# Altium PCB roach2.PcbDoc (part 37 of 39) (continued)
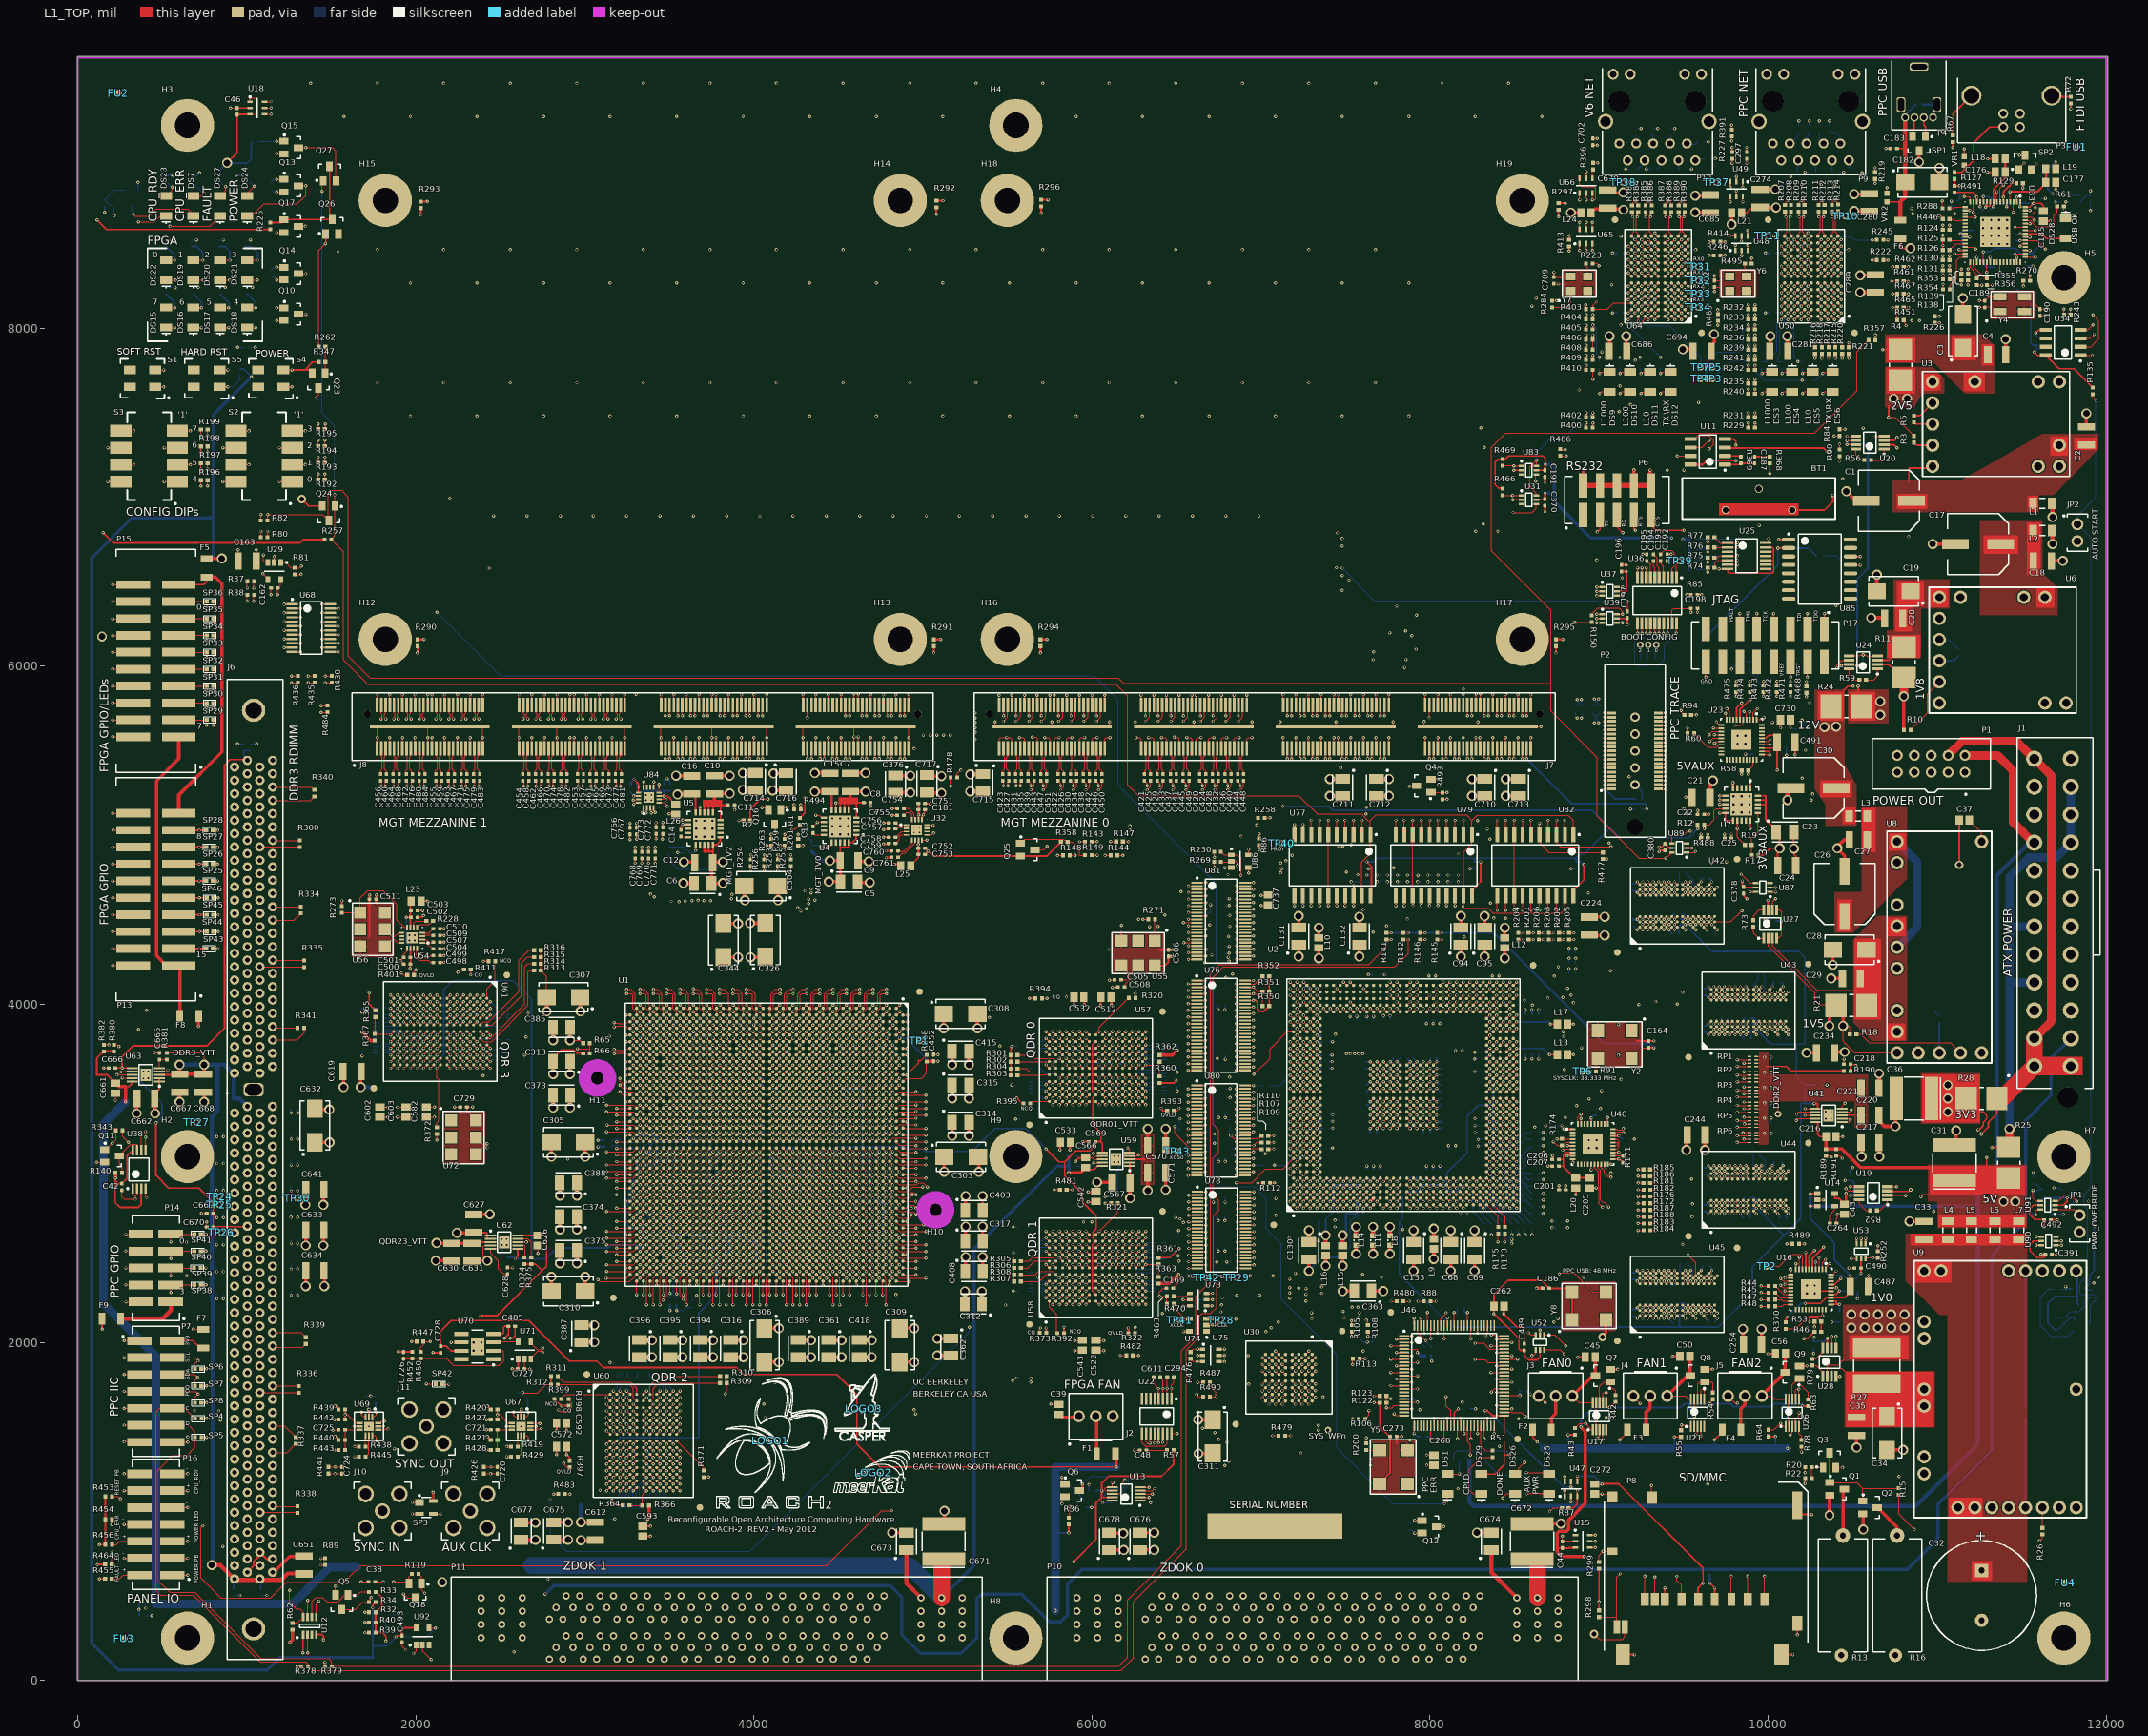
[diagram p0: L1_TOP view]
## Nets (pads, with @x,y where several pads share a name; then routed paths per layer and width w, separated by ;. In a path a pad name is that pad's centre, name@x,y a point inside that pad or via, vN(x,y) a via of type N, cw(c..) or ccw(c..) an arc to the next point about the centre after c; other vN are vias at no path point) (continued)
ZDOK1.DP_N11: P11.D4 U1.AA39 | length 3396
  L1_TOP w5: U1.AA39@4093.59,2478.78 v1(4113.28,2459.09)
  L14_S w3.8: P11.D4@3070.12,362.2 3013.11,305.19 2945.76,305.19 2923.19,327.76 2923.19,369.19 2961.48,407.48 2961.48,449.48 2917.55,493.4 2917.55,511.41 2917.19,511.77 2917.19,586.22 3161.96,830.99 3476.99,830.99 3607.19,961.19 3607.19,1253.19 3671.99,1317.99 3834.56,1480.56 cw(c3843.19,1471.94) 3851.82,1480.56 3870.69,1461.69 ccw(c3873.8,1464.8) 3876.91,1461.69 ccw(c3873.8,1464.8) 3878.2,1464.8 ccw(c3873.8,1464.8) 3876.91,1467.91 3852.18,1492.65 ; 3838.91,1505.91 cw(c3847.54,1514.54) 3838.91,1523.16 cw(c3847.54,1514.54) 3856.17,1523.16 3869.42,1509.91 3894.16,1485.17 ccw(c3897.28,1488.28) 3900.39,1485.17 ccw(c3897.28,1488.28) 3901.68,1488.28 ccw(c3897.28,1488.28) 3900.39,1491.39 3875.65,1516.13 3862.39,1529.38 cw(c3871.02,1538.01) 3862.39,1546.64 cw(c3871.02,1538.01) 3879.64,1546.64 3892.89,1533.39 3917.64,1508.64 ccw(c3920.75,1511.75) 3923.86,1508.64 ccw(c3920.75,1511.75) 3925.15,1511.75 ccw(c3920.75,1511.75) 3923.86,1514.87 3904.99,1533.74 cw(c3913.62,1542.36) 3904.99,1550.99 3982.99,1628.99 3982.99,2051.99 4114.99,2183.99 4114.99,2258.49 4109.56,2263.92 4109.56,2291.62 4129.25,2311.31 4129.25,2443.12 v1(4113.28,2459.09) ; 3838.92,1505.91 3852.17,1492.66
ZDOK1.DP_N12: P11.D6 U1.W33 | length 3433.8
  L1_TOP w5: U1.W33@4172.33,2715 v1(4192.02,2695.31)
  L3_S w3.8: P11.D6@3270.12,362.2 3229.16,362.2 3201.61,334.65 3154.1,334.65 3134.99,353.76 3134.99,384.79 3165.19,414.99 3165.19,444.42 3305.76,584.99 3480.99,584.99 3954.99,1058.99 3954.99,1224.59 cw(c3967.19,1224.59) 3967.19,1236.79 4012.58,1236.79 ccw(c4012.58,1241.19) 4016.98,1241.19 ccw(c4012.58,1241.19) 4012.58,1245.59 3915.01,1245.59 cw(c3915.01,1257.79) 3915.01,1269.99 4012.58,1269.99 ccw(c4012.58,1274.39) 4016.98,1274.39 ccw(c4012.58,1274.39) 4012.58,1278.79 3967.19,1278.79 cw(c3967.19,1290.99) 3954.99,1290.99 3954.99,1402.99 4166.99,1614.99 4166.99,1676.29 4208.7,1717.99 4218.49,1727.78 4218.49,2202.68 4207.99,2213.18 4207.99,2279.02 4236.69,2307.72 4236.69,2381.32 4207.99,2410.03 4207.99,2679.34 v1(4192.02,2695.31)
ZDOK1.DP_N13: P11.D8 U1.W41 | length 3396.4
  L1_TOP w5: U1.W41@4172.33,2400.04 4192.02,2380.35 v2(4192.02,2222.87)
  L14_S w3.8: P11.D8@3470.12,362.2 3433.23,362.2 3380.22,309.19 3341.76,309.19 3323.19,327.76 3323.19,363.19 3373.19,413.19 3373.19,449.19 3418.99,494.99 3418.99,592.79 3824.09,997.89 ; 3824.24,998.04 3827.19,1000.99 3827.19,1034.19 cw(c3839.39,1034.19) 3839.39,1046.39 3893.31,1046.39 ccw(c3893.31,1050.79) 3897.71,1050.79 ccw(c3893.31,1050.79) 3893.31,1055.19 3796.47,1055.19 cw(c3796.47,1067.39) 3796.47,1079.59 3893.31,1079.59 ccw(c3893.31,1083.99) 3897.71,1083.99 ccw(c3893.31,1083.99) 3893.31,1088.39 3796.47,1088.39 cw(c3796.47,1100.59) 3796.47,1112.79 3893.31,1112.79 ccw(c3893.31,1117.19) 3897.71,1117.19 ccw(c3893.31,1117.19) 3893.31,1121.59 3796.47,1121.59 cw(c3796.47,1133.79) 3796.47,1145.99 3893.31,1145.99 ccw(c3893.31,1150.39) 3897.71,1150.39 ccw(c3893.31,1150.39) 3893.31,1154.79 3839.39,1154.79 cw(c3839.39,1166.99) 3827.19,1166.99 3827.19,1195.19 4208.7,1576.7 4208.7,2208.63 4193.23,2224.09 v2@4192.91,2224.41
ZDOK1.DP_N14: P11.D10 U1.V39 | length 3420.4
  L1_TOP w5: U1.V39@4211.7,2478.78 v1(4231.39,2459.09)
  L9_R w3.8: P11.D10@3670.12,362.2 3670.12,360.12 3613.19,303.19 3553.76,303.19 3530.99,325.96 3530.99,384.79 3575.19,428.99 3575.19,447.19 3617.19,489.19 3617.19,1015.19 3712.7,1110.7 ccw(c3709.59,1113.81) 3713.99,1113.81 ccw(c3709.59,1113.81) 3712.7,1116.92 3670.37,1159.26 ; 3670.36,1159.26 cw(c3678.99,1167.89) 3670.36,1176.52 cw(c3678.99,1167.89) 3687.61,1176.52 ; 3687.62,1176.51 3784.03,1080.1 ccw(c3787.14,1083.21) 3790.25,1080.1 ccw(c3787.14,1083.21) 3791.54,1083.21 ccw(c3787.14,1083.21) 3790.25,1086.32 3693.84,1182.73 cw(c3702.46,1191.37) 3693.84,1199.99 cw(c3702.46,1191.37) 3711.09,1199.99 3807.51,1103.58 ccw(c3810.62,1106.69) 3813.73,1103.58 ccw(c3810.62,1106.69) 3815.02,1106.69 ccw(c3810.62,1106.69) 3813.73,1109.8 3747.67,1175.86 cw(c3756.29,1184.49) 3747.67,1193.11 cw(c3756.29,1184.49) 3764.92,1193.11 3782.77,1175.26 3830.98,1127.05 ccw(c3834.09,1130.16) 3837.2,1127.05 ccw(c3834.09,1130.16) 3838.49,1130.16 ccw(c3834.09,1130.16) 3837.2,1133.27 3794.86,1175.61 cw(c3803.49,1184.24) 3794.86,1192.86 3970.99,1368.99 4199.99,1597.99 4199.99,2161.5 4207.99,2169.49 4207.99,2282.02 4247.36,2321.39 4247.36,2443.12 v1(4231.39,2459.09)
ZDOK1.DP_N15: P11.D12 U1.T36 | length 3405.9
  L1_TOP w5: U1.T36@4290.44,2596.89 v1(4310.13,2577.2)
  L12_S w3.8: P11.D12@3870.12,362.2 3828.77,403.55 3818.55,403.55 3802.41,419.69 3802.41,442.52 3820.99,461.1 3820.99,799.96 4234.99,1213.96 4234.99,1615.59 ccw(c4222.79,1615.59) 4222.79,1627.79 4181.07,1627.79 cw(c4181.07,1632.19) 4181.07,1636.59 4281.63,1636.59 ccw(c4281.63,1648.79) 4293.83,1648.79 ccw(c4281.63,1648.79) 4281.63,1660.99 4181.07,1660.99 cw(c4181.07,1665.39) 4181.07,1669.79 4281.63,1669.79 ccw(c4281.63,1681.99) 4293.83,1681.99 ccw(c4281.63,1681.99) 4281.63,1694.19 4181.07,1694.19 cw(c4181.07,1698.59) 4181.07,1702.99 4281.63,1702.99 ccw(c4281.63,1715.19) 4293.83,1715.19 ccw(c4281.63,1715.19) 4281.63,1727.39 4181.07,1727.39 cw(c4181.07,1731.79) 4181.07,1736.19 4281.63,1736.19 ccw(c4281.63,1748.39) 4293.83,1748.39 ccw(c4281.63,1748.39) 4281.63,1760.59 4239.39,1760.59 cw(c4239.39,1764.99) 4234.99,1764.99 4234.99,1797.96 4273.49,1836.46 4273.49,2175.99 4294.53,2197.03 4294.53,2255.78 4274.84,2275.47 4274.84,2393.58 4255.16,2413.26 4255.16,2544.3 4264.29,2553.43 4286.36,2553.43 v1(4310.13,2577.2)
ZDOK1.DP_N16: P11.D14 U1.T42 | length 3322.9
  L1_TOP w5: v2(4290.44,2281.93) U1.T42@4290.44,2360.67
  L14_S w3.8: 4047.93,937.46 4140.98,844.41 cw(c4132.36,835.78) 4144.56,835.78 cw(c4132.36,835.78) 4140.98,827.15 cw(c4132.36,835.78) 4123.73,827.15 4030.67,920.21 ccw(c4027.56,917.1) 4024.45,920.22 ccw(c4027.56,917.1) 4024.45,913.99 4065.1,873.34 cw(c4056.48,864.71) 4068.68,864.71 cw(c4056.48,864.71) 4065.11,856.08 4036.99,827.96 4036.99,463.04 4070.12,429.91 P11.D14@4070.12,362.2 ; 4047.92,937.47 cw(c4051.03,940.58) 4047.92,943.69 cw(c4051.03,940.58) 4054.14,943.69 4147.2,850.63 ccw(c4155.83,859.26) 4164.46,850.63 ccw(c4155.83,859.26) 4168.03,859.26 ccw(c4155.83,859.26) 4164.46,867.88 4071.4,960.94 cw(c4074.51,964.05) 4071.4,967.17 cw(c4074.51,964.05) 4077.62,967.17 4170.68,874.11 ccw(c4179.31,882.73) 4187.93,874.1 ccw(c4179.31,882.73) 4191.51,882.73 ccw(c4179.31,882.73) 4187.93,891.36 4094.88,984.41 ; 4094.87,984.42 cw(c4097.98,987.53) 4094.87,990.64 cw(c4097.98,987.53) 4101.09,990.64 4194.16,897.58 ccw(c4202.78,906.21) 4211.41,897.58 ccw(c4202.78,906.21) 4214.98,906.21 ccw(c4202.78,906.21) 4211.41,914.83 4170.75,955.49 cw(c4173.86,958.61) 4170.75,961.72 4381.22,1172.19 4381.22,2044.16 4348.39,2076.99 4348.39,2170.39 4349.99,2171.99 4349.99,2235.99 4323.99,2261.99 4312.81,2261.99 4291.66,2283.15 v2@4291.34,2283.46
ZDOK1.DP_N17: P11.D16 U1.P38 | length 3415.6
  L1_TOP w5: U1.P38@4369.18,2518.15 v1(4388.87,2498.46)
  L9_R w3.8: P11.D16@4270.12,362.2 4228.77,403.55 4218.55,403.55 4202.41,419.69 4202.41,482.49 4205.28,485.36 4205.28,514.64 4202.41,517.51 4202.41,1033.38 4279.5,1110.47 4341.14,1172.11 cw(c4344.25,1169) 4347.36,1172.11 4391.73,1127.74 ccw(c4400.36,1136.36) 4408.98,1127.74 ccw(c4400.36,1136.36) 4412.55,1136.36 ccw(c4400.36,1136.36) 4408.98,1144.99 4308.51,1245.47 cw(c4311.62,1248.58) 4308.51,1251.69 cw(c4311.62,1248.58) 4314.73,1251.69 4364.96,1201.46 ; 4364.97,1201.45 4415.2,1151.21 ccw(c4423.83,1159.84) 4432.46,1151.21 ccw(c4423.83,1159.84) 4436.03,1159.84 ccw(c4423.83,1159.84) 4432.46,1168.47 ; v1(4388.87,2498.46) 4373.27,2482.86 4373.27,2373.89 4392.58,2354.58 4392.58,2239.08 4373.79,2220.29 4373.79,2156.99 4455.99,2074.79 4455.99,1286.96 4435.04,1266.01 ccw(c4438.15,1262.9) 4435.04,1259.78 4479.4,1215.42 ; 4432.45,1168.47 4331.98,1268.94 cw(c4335.09,1272.05) 4331.98,1275.16 cw(c4335.09,1272.05) 4338.2,1275.16 4438.67,1174.69 ccw(c4447.31,1183.31) 4455.93,1174.69 ccw(c4447.31,1183.31) 4459.51,1183.31 ccw(c4447.31,1183.31) 4455.93,1191.94 4355.46,1292.42 cw(c4358.57,1295.53) 4355.46,1298.64 cw(c4358.57,1295.53) 4361.68,1298.64 4462.15,1198.17 ; 4462.15,1198.16 ccw(c4470.78,1206.79) 4479.41,1198.16 ccw(c4470.78,1206.79) 4482.98,1206.79 ccw(c4470.78,1206.79) 4479.41,1215.42
ZDOK1.DP_N18: P11.D18 U1.P37 | length 3337.5
  L1_TOP w5: U1.P37@4370.08,2559.06 4388.87,2540.27 v1(4388.87,2537.83)
  L5_S w3.8: v1(4388.87,2537.83) 4404.47,2522.23 4404.47,2363.13 4425.05,2342.55 4425.05,2331.42 4414.49,2320.86 4414.49,1674.46 4684.99,1403.96 4684.99,1364.99 ccw(c4697.19,1364.99) 4697.19,1352.79 4740.43,1352.79 cw(c4740.43,1348.39) 4744.83,1348.39 cw(c4740.43,1348.39) 4740.43,1343.99 4650.15,1343.99 ccw(c4650.15,1331.79) 4650.15,1319.59 4740.43,1319.59 cw(c4740.43,1315.19) 4744.83,1315.19 cw(c4740.43,1315.19) 4740.43,1310.79 4697.19,1310.79 ccw(c4697.19,1298.59) 4684.99,1298.59 4684.99,1087.6 ccw(c4688.89,1087.6) 4688.89,1083.7 cw(c4688.89,1076) 4696.59,1076 cw(c4688.89,1076) 4688.89,1068.3 ccw(c4688.89,1052.8) 4688.89,1037.3 cw(c4688.89,1029.6) 4696.59,1029.6 cw(c4688.89,1029.6) 4688.89,1021.9 ccw(c4688.89,1006.4) 4688.89,990.9 cw(c4688.89,983.2) 4696.59,983.2 cw(c4688.89,983.2) 4688.89,975.5 ccw(c4688.89,960) 4688.89,944.5 cw(c4688.89,936.8) 4696.59,936.8 cw(c4688.89,936.8) 4688.89,929.1 ccw(c4688.89,913.6) 4688.89,898.1 cw(c4688.89,890.4) 4696.59,890.4 cw(c4688.89,890.4) 4688.89,882.7 ccw(c4688.89,867.2) 4688.89,851.7 cw(c4688.89,844) 4696.59,844 cw(c4688.89,844) 4688.89,836.3 ccw(c4688.89,820.8) 4688.89,805.3 cw(c4688.89,797.6) 4696.59,797.6 cw(c4688.89,797.6) 4688.89,789.9 ccw(c4688.89,774.4) 4688.89,758.9 cw(c4688.89,751.2) 4696.59,751.2 cw(c4688.89,751.2) 4688.89,743.5 ccw(c4688.89,728) 4688.89,712.5 cw(c4688.89,704.8) 4696.59,704.8 cw(c4688.89,704.8) 4688.89,697.1 ccw(c4688.89,693.2) 4684.99,693.2 4684.99,659.96 4800.99,543.96 4800.99,408.99 4706.99,314.99 4438.99,314.99 4434.99,318.99 4434.99,336.99 4460.2,362.2 P11.D18@4470.12,362.2
ZDOK1.DP_N19: P11.D20 U1.N41 | length 3393.5
  L1_TOP w5: U1.N41@4408.55,2400.04 v1(4428.24,2380.35)
  L14_S w3.8: v1(4428.24,2380.35) 4463.52,2345.07 4463.52,2249.02 4483.21,2229.34 4483.21,2147.55 4555.19,2075.56 4555.19,1644.99 ccw(c4567.39,1644.99) 4567.39,1632.79 4605.4,1632.79 cw(c4605.4,1628.39) 4609.8,1628.39 cw(c4605.4,1628.39) 4605.4,1623.99 4500.78,1623.99 ccw(c4500.78,1611.79) 4500.78,1599.59 4605.4,1599.59 cw(c4605.4,1595.19) 4609.8,1595.19 cw(c4605.4,1595.19) 4605.4,1590.79 4500.78,1590.79 ccw(c4500.78,1578.59) 4500.78,1566.39 4605.4,1566.39 cw(c4605.4,1561.99) 4609.8,1561.99 cw(c4605.4,1561.99) 4605.4,1557.59 4500.78,1557.59 ccw(c4500.78,1545.39) 4500.78,1533.19 4605.4,1533.19 cw(c4605.4,1528.79) 4609.8,1528.79 cw(c4605.4,1528.79) 4605.4,1524.39 4500.78,1524.39 ccw(c4500.78,1512.19) 4500.78,1499.99 4605.4,1499.99 cw(c4605.4,1495.59) 4609.8,1495.59 cw(c4605.4,1495.59) 4605.4,1491.19 4567.39,1491.19 ccw(c4567.39,1478.99) 4555.19,1478.99 4555.19,743.19 4421.19,609.19 4421.19,499.76 4484.99,435.96 4484.99,397.96 4569.76,313.19 4592.22,313.19 4641.23,362.2 P11.D20@4670.12,362.2 ; v1@4429.13,2381.89 v1@4429.45,2381.57
ZDOK1.DP_N20: P11.C2 U1.Y35 | length 3403
  L1_TOP w5: U1.Y35@4132.96,2636.26 v1(4152.65,2616.57)
  L12_S w3.8: P11.C2@2969.92,263.78 2928.99,304.71 2928.99,393.1 2902.41,419.69 2902.41,442.52 2928.99,469.1 2928.99,635.19 3302.99,1009.19 3478.59,1009.19 cw(c3478.59,1004.79) 3482.99,1004.79 3482.99,961.46 ccw(c3495.19,961.46) 3507.39,961.46 3507.39,1064.72 cw(c3511.79,1064.72) 3516.19,1064.72 3516.19,989.11 ccw(c3528.39,989.11) 3540.59,989.11 3540.59,1004.79 cw(c3544.99,1004.79) 3544.99,1009.19 3592.22,1009.19 3933.51,1350.48 3933.51,1833.48 4019.83,1919.8 4033.19,1933.16 4033.19,2133.69 4117.36,2217.86 4117.36,2380.62 4097.68,2400.31 4097.68,2587.18 4111.47,2600.97 4119.74,2600.97 4135.34,2616.57 v1(4152.65,2616.57)
ZDOK1.DP_N21: P11.C4 U1.Y33 | length 3397
  L1_TOP w5: U1.Y33@4132.96,2715 v1(4152.65,2695.31)
  L3_S w3.8: P11.C4@3169.92,263.78 3128.97,263.78 3090.38,225.19 3045.76,225.19 3023.19,247.76 3023.19,373.19 3063.48,413.48 3063.48,449.48 3054.65,458.31 3054.65,529.68 3135.76,610.79 3183.56,610.79 3385.76,812.99 3588.99,812.99 3827.99,1051.99 3866.23,1090.23 3869.19,1093.19 3869.19,1155.79 cw(c3881.39,1155.79) 3881.39,1167.99 3912.82,1167.99 ccw(c3912.82,1172.39) 3917.22,1172.39 ccw(c3912.82,1172.39) 3912.82,1176.79 3881.39,1176.79 cw(c3881.39,1188.99) 3869.19,1188.99 3869.19,1458.42 4007.76,1596.99 4062.99,1596.99 4096.71,1630.71 4096.71,2160.74 4148.93,2212.96 4148.93,2302.46 4168.62,2322.15 4168.62,2679.34 v1(4152.65,2695.31)
ZDOK1.DP_N22: P11.C6 U1.V36 | length 3382.2
  L1_TOP w5: U1.V36@4211.7,2596.89 v1(4231.39,2577.2)
  L12_S w3.8: P11.C6@3369.92,263.78 3357.51,276.19 3357.51,408.66 3365.31,416.46 3365.31,445.75 3342.37,468.69 3342.37,685.34 3448.22,791.19 3610.22,791.19 4042.99,1223.96 4042.99,1325.39 cw(c4047.39,1325.39) 4047.39,1329.79 4103.87,1329.79 ccw(c4103.87,1341.99) 4116.07,1341.99 ccw(c4103.87,1341.99) 4103.87,1354.19 4017.71,1354.19 cw(c4017.71,1358.59) 4017.71,1362.99 4103.87,1362.99 ccw(c4103.87,1375.19) 4116.07,1375.19 ccw(c4103.87,1375.19) 4103.87,1387.39 4017.71,1387.39 cw(c4017.71,1391.79) 4017.71,1396.19 4103.87,1396.19 ccw(c4103.87,1408.39) 4116.07,1408.39 ccw(c4103.87,1408.39) 4103.87,1420.59 4047.39,1420.59 cw(c4047.39,1424.99) 4042.99,1424.99 4042.99,1559.96 4102.51,1619.48 4102.51,1955.48 4191.22,2044.19 4191.22,2134.72 4215.79,2159.29 4215.79,2310.84 4196.1,2330.52 4196.1,2393.58 4176.42,2413.26 4176.42,2544.3 4185.55,2553.43 4207.62,2553.43 v1(4231.39,2577.2)
ZDOK1.DP_N23: P11.C8 U1.W40 | length 3420
  L1_TOP w5: U1.W40@4172.33,2439.41 v1(4192.02,2419.72)
  L14_S w3.8: P11.C8@3569.92,263.78 3539.78,263.78 3495.19,219.19 3459.76,219.19 3429.19,249.76 3429.19,277.19 3497.67,345.67 3497.67,373.62 3485.19,386.1 3485.19,447.19 3521.19,483.19 3521.19,557.19 3806.99,842.99 3967.83,1003.83 ccw(c3964.72,1006.94) 3969.12,1006.94 ccw(c3964.72,1006.94) 3967.83,1010.05 3925.94,1051.94 cw(c3934.56,1060.57) 3925.94,1069.2 cw(c3934.56,1060.57) 3943.19,1069.2 3990.95,1021.44 4017.11,995.27 ccw(c4020.23,998.38) 4023.34,995.27 ccw(c4020.23,998.38) 4024.63,998.38 ccw(c4020.23,998.38) 4023.34,1001.49 3949.41,1075.42 cw(c3958.04,1084.05) 3949.41,1092.67 cw(c3958.04,1084.05) 3966.66,1092.67 4040.59,1018.75 ccw(c4043.7,1021.86) 4046.81,1018.75 ccw(c4043.7,1021.86) 4048.1,1021.86 ccw(c4043.7,1021.86) 4046.81,1024.97 3972.89,1098.89 cw(c3981.51,1107.52) 3972.89,1116.15 cw(c3981.51,1107.52) 3990.14,1116.15 4064.06,1042.22 ccw(c4067.18,1045.33) 4070.29,1042.22 ccw(c4067.18,1045.33) 4071.58,1045.33 ccw(c4067.18,1045.33) 4070.29,1048.45 4049.99,1068.74 cw(c4058.62,1077.37) 4049.99,1085.99 4246.99,1282.99 4246.99,2229.34 4227.3,2249.02 4227.3,2384.44 v1(4192.02,2419.72) ; v1@4192.91,2419.72 v1@4192.91,2421.26
ZDOK1.DP_N24: P11.C10 U1.U38 | length 3375.8
  L1_TOP w5: U1.U38@4251.07,2518.15 v1(4270.76,2498.46)
  L9_R w3.8: P11.C10@3769.92,263.78 3756.81,263.78 3712.22,219.19 3657.76,219.19 3646.99,229.96 3646.99,306.8 3674.85,334.65 3681.53,334.65 3697.67,350.79 3697.67,402.36 3643.19,456.84 3643.19,596.99 cw(c3655.39,596.99) 3655.39,609.19 3705.58,609.19 ccw(c3705.58,613.59) 3709.98,613.59 ccw(c3705.58,613.59) 3705.58,617.99 3655.39,617.99 cw(c3655.39,630.19) 3655.39,642.39 3705.58,642.39 ccw(c3705.58,646.79) 3709.98,646.79 ccw(c3705.58,646.79) 3705.58,651.19 3655.39,651.19 cw(c3655.39,663.39) 3655.39,675.59 3705.58,675.59 ccw(c3705.58,679.99) 3709.98,679.99 ccw(c3705.58,679.99) 3705.58,684.39 3655.39,684.39 cw(c3655.39,696.59) 3655.39,708.79 3705.58,708.79 ccw(c3705.58,713.19) 3709.98,713.19 ccw(c3705.58,713.19) 3705.58,717.59 3655.39,717.59 cw(c3655.39,729.79) 3655.39,741.99 3705.58,741.99 ccw(c3705.58,746.39) 3709.98,746.39 ccw(c3705.58,746.39) 3705.58,750.79 3655.39,750.79 cw(c3655.39,762.99) 3643.19,762.99 3643.19,825.19 4283.71,1465.71 4283.71,2148.71 4286.36,2151.36 4286.36,2232.39 4306.41,2252.44 4306.41,2390.35 4286.73,2410.03 4286.73,2482.49 v1(4270.76,2498.46)
ZDOK1.DP_N25: P11.C12 U1.R38 | length 3392
  L1_TOP w5: U1.R38@4329.81,2518.15 v1(4349.5,2498.46)
  L12_S w3.8: P11.C12@3969.92,263.78 3952.51,281.19 3952.51,389.48 3965.31,402.28 3965.31,454.67 3932.99,486.99 3932.99,711.96 4348.99,1127.96 4348.99,1556.79 ccw(c4336.79,1556.79) 4336.79,1568.99 4330.19,1568.99 cw(c4330.19,1573.39) 4330.19,1577.79 4375.91,1577.79 ccw(c4375.91,1589.99) 4388.11,1589.99 ccw(c4375.91,1589.99) 4375.91,1602.19 4330.19,1602.19 cw(c4330.19,1606.59) 4330.19,1610.99 4375.91,1610.99 ccw(c4375.91,1623.19) 4388.11,1623.19 ccw(c4375.91,1623.19) 4375.91,1635.39 4330.19,1635.39 cw(c4330.19,1639.79) 4330.19,1644.19 4375.91,1644.19 ccw(c4375.91,1656.39) 4388.11,1656.39 ccw(c4375.91,1656.39) 4375.91,1668.59 4330.19,1668.59 cw(c4330.19,1672.99) 4330.19,1677.39 4375.91,1677.39 ccw(c4375.91,1689.59) 4388.11,1689.59 ccw(c4375.91,1689.59) 4375.91,1701.79 4330.19,1701.79 cw(c4330.19,1706.19) 4330.19,1710.59 4375.91,1710.59 ccw(c4375.91,1722.79) 4388.11,1722.79 ccw(c4375.91,1722.79) 4375.91,1734.99 4330.19,1734.99 cw(c4330.19,1739.39) 4330.19,1743.79 4375.91,1743.79 ccw(c4375.91,1755.99) 4388.11,1755.99 ccw(c4375.91,1755.99) 4375.91,1768.19 4330.19,1768.19 cw(c4330.19,1772.59) 4330.19,1776.99 4375.91,1776.99 ccw(c4375.91,1789.19) 4388.11,1789.19 ccw(c4375.91,1789.19) 4375.91,1801.39 4330.19,1801.39 cw(c4330.19,1805.79) 4330.19,1810.19 4375.91,1810.19 ccw(c4375.91,1822.39) 4388.11,1822.39 ccw(c4375.91,1822.39) 4375.91,1834.59 4353.39,1834.59 cw(c4353.39,1838.99) 4348.99,1838.99 4348.99,1862.86 4381.22,1895.09 4381.22,2094.2 4334.42,2140.99 4334.42,2170.92 4353.58,2190.08 4353.58,2354.21 4333.9,2373.89 4333.9,2482.86 v1(4349.5,2498.46)
ZDOK1.DP_N26: P11.C14 U1.R42 | length 3382.1
  L1_TOP w5: v2(4329.81,2281.93) U1.R42@4329.81,2360.67
  L14_S w3.8: P11.C14@4169.92,263.78 4143.78,263.78 4132.79,252.79 4132.79,237.76 4110.22,215.19 4059.76,215.19 4027.19,247.76 4027.19,298.42 4053.76,324.99 4076.99,324.99 4102.99,350.99 4102.99,381.96 4086.99,397.96 4086.99,437.96 4051.19,473.76 4051.19,655.19 4291.35,895.35 ccw(c4288.24,898.46) 4292.64,898.46 ccw(c4288.24,898.46) 4291.35,901.58 4250.64,942.29 cw(c4259.26,950.92) 4250.63,959.55 cw(c4259.26,950.92) 4267.88,959.55 4361.07,866.37 ccw(c4364.18,869.48) 4367.29,866.37 ccw(c4364.18,869.48) 4368.58,869.48 ccw(c4364.18,869.48) 4367.29,872.59 4274.11,965.77 cw(c4282.73,974.4) 4274.11,983.03 cw(c4282.73,974.4) 4291.36,983.03 4384.54,889.84 ccw(c4387.65,892.95) 4390.76,889.84 ccw(c4387.65,892.95) 4392.05,892.95 ccw(c4387.65,892.95) 4390.76,896.07 4297.59,989.24 cw(c4306.21,997.87) 4297.58,1006.5 cw(c4306.21,997.87) 4314.83,1006.5 4361.42,959.91 4408.01,913.32 ccw(c4411.13,916.43) 4414.24,913.32 ccw(c4411.13,916.43) 4415.53,916.43 ccw(c4411.13,916.43) 4414.24,919.54 4371.98,961.8 cw(c4379.09,968.89) 4371.99,975.99 4401.99,1005.99 4401.99,2054.96 4368.99,2087.96 4368.99,2232.76 4345.99,2255.76 4345.99,2268.18 4331.03,2283.15 v2@4330.71,2283.46
ZDOK1.DP_N27: P11.C16 U1.P41 | length 3338.8
  L1_TOP w5: U1.P41@4369.18,2400.04 v1(4388.87,2380.35)
  L14_S w3.8: 4329.02,703.81 4244.73,788.1 ccw(c4241.61,784.99) 4238.5,788.1 ccw(c4241.61,784.99) 4238.5,781.88 4322.8,697.58 cw(c4314.17,688.96) 4326.37,688.96 cw(c4314.17,688.96) 4322.8,680.33 cw(c4314.17,688.96) 4305.55,680.33 4221.25,764.62 ccw(c4218.13,761.52) 4215.02,764.63 ccw(c4218.13,761.52) 4215.02,758.41 4257.6,715.83 cw(c4248.98,707.2) 4261.18,707.2 cw(c4248.98,707.2) 4257.6,698.57 4244.99,685.96 4244.99,476.99 4333.86,388.12 4333.86,299.84 P11.C16@4369.92,263.78 ; 4329.02,703.8 ccw(c4337.65,712.43) 4346.27,703.8 ccw(c4337.65,712.43) 4349.85,712.43 ccw(c4337.65,712.43) 4346.27,721.06 4261.98,805.35 cw(c4265.09,808.47) 4261.97,811.58 cw(c4265.09,808.47) 4268.2,811.58 4316.64,763.13 4352.49,727.28 ccw(c4361.12,735.91) 4369.75,727.28 ccw(c4361.12,735.91) 4373.32,735.91 ccw(c4361.12,735.91) 4369.75,744.53 4285.45,828.83 cw(c4288.56,831.94) 4285.45,835.05 cw(c4288.56,831.94) 4291.67,835.05 4340.12,786.61 ; 4340.12,786.6 4375.97,750.76 ; 4375.97,750.75 ccw(c4384.6,759.38) 4393.22,750.75 ccw(c4384.6,759.38) 4396.8,759.38 ccw(c4384.6,759.38) 4393.22,768.01 4363.24,797.99 cw(c4366.35,801.1) 4363.24,804.21 4423.51,864.48 4444.99,885.96 4444.99,2084.59 4393.59,2135.99 4393.59,2293.04 4373.99,2312.64 4373.99,2366.12 4388.55,2380.67 v1@4389.76,2381.89
ZDOK1.DP_N28: P11.C18 U1.M39 | length 3360.6
  L1_TOP w5: U1.M39@4447.92,2478.78 v1(4467.61,2459.09)
  L12_S w3.8: v1(4467.61,2459.09) 4467.61,2441.78 4452.01,2426.18 4452.01,2413.26 4471.69,2393.58 4471.69,2249.02 4449.99,2227.32 4449.99,2212.49 4452.79,2209.69 4452.79,2150.99 4452.99,2150.79 4452.99,1866.99 4534.79,1785.19 4534.79,1764.99 ccw(c4539.19,1764.99) 4539.19,1760.59 4582.67,1760.59 cw(c4582.67,1748.39) 4594.87,1748.39 cw(c4582.67,1748.39) 4582.67,1736.19 4479.4,1736.19 ccw(c4479.4,1731.79) 4479.4,1727.39 4598.98,1727.39 cw(c4598.98,1715.19) 4611.18,1715.19 cw(c4598.98,1715.19) 4598.98,1702.99 4479.4,1702.99 ccw(c4479.4,1698.59) 4479.4,1694.19 4598.98,1694.19 cw(c4598.98,1681.99) 4611.18,1681.99 cw(c4598.98,1681.99) 4598.98,1669.79 4479.4,1669.79 ccw(c4479.4,1665.39) 4479.4,1660.99 4598.98,1660.99 cw(c4598.98,1648.79) 4611.18,1648.79 cw(c4598.98,1648.79) 4598.98,1636.59 4479.4,1636.59 ccw(c4479.4,1632.19) 4479.4,1627.79 4522.59,1627.79 cw(c4522.59,1615.59) 4534.79,1615.59 4534.79,973.76 4448.51,887.48 4448.51,481.48 4490.79,439.19 4490.79,415.19 4529.28,376.71 4529.28,304.43 P11.C18@4569.92,263.78
ZDOK1.DP_N29: P11.F2 U1.AA37 | length 3358.7
  L1_TOP w5: U1.AA37@4093.59,2557.52 v1(4113.28,2537.83)
  L3_S w3.8: P11.F2@2969.92,500 2933.86,536.06 2933.86,580.83 3334.22,981.19 3580.22,981.19 3710.79,1111.76 3710.79,1272.19 cw(c3715.19,1272.19) 3715.19,1276.59 3768.38,1276.59 ccw(c3768.38,1288.79) 3780.58,1288.79 ccw(c3768.38,1288.79) 3768.38,1300.99 3691.6,1300.99 cw(c3691.6,1305.39) 3691.6,1309.79 3769.67,1309.79 ccw(c3769.67,1321.99) 3781.87,1321.99 ccw(c3769.67,1321.99) 3769.67,1334.19 3691.6,1334.19 cw(c3691.6,1338.59) 3691.6,1342.99 3768.38,1342.99 ccw(c3768.38,1355.19) 3780.58,1355.19 ccw(c3768.38,1355.19) 3768.38,1367.39 3691.6,1367.39 cw(c3691.6,1371.79) 3691.6,1376.19 3768.38,1376.19 ccw(c3768.38,1388.39) 3780.58,1388.39 ccw(c3768.38,1388.39) 3768.38,1400.59 3715.19,1400.59 cw(c3715.19,1404.99) 3710.79,1404.99 3710.79,1512.56 3885.99,1687.76 3885.99,2025.99 3926.49,2066.49 3926.49,2089.99 4018.93,2182.43 4018.93,2282.93 4097.68,2361.68 4097.68,2522.23 v1(4113.28,2537.83)
ZDOK1.DP_N30: P11.F4 U1.Y42 | length 3411.8
  L1_TOP w5: v2(4132.96,2281.93) U1.Y42@4132.96,2360.67
  L14_S w3.8: P11.F4@3169.92,500 3142.37,472.45 3061.54,472.45 3042.79,491.19 3029.76,491.19 3015.19,505.76 3015.19,610.22 3179.96,774.99 3484.99,774.99 3667.19,957.19 3667.19,1008.19 cw(c3679.39,1008.19) 3679.39,1020.39 3732.03,1020.39 ccw(c3732.03,1024.79) 3736.43,1024.79 ccw(c3732.03,1024.79) 3732.03,1029.19 3642.16,1029.19 cw(c3642.16,1041.39) 3642.16,1053.59 3732.03,1053.59 ccw(c3732.03,1057.99) 3736.43,1057.99 ccw(c3732.03,1057.99) 3732.03,1062.39 3642.16,1062.39 cw(c3642.16,1074.59) 3642.16,1086.79 3732.03,1086.79 ccw(c3732.03,1091.19) 3736.43,1091.19 ccw(c3732.03,1091.19) 3732.03,1095.59 3642.16,1095.59 cw(c3642.16,1107.79) 3642.16,1119.99 3732.03,1119.99 ccw(c3732.03,1124.39) 3736.43,1124.39 ccw(c3732.03,1124.39) 3732.03,1128.79 3679.39,1128.79 cw(c3679.39,1140.99) 3667.19,1140.99 3667.19,1221.19 4023.19,1577.19 4023.19,1663.19 4055.19,1695.19 4055.19,2068.19 4149.64,2162.64 4149.64,2267.68 4134.18,2283.15 v2@4133.86,2283.46
ZDOK1.DP_N31: P11.F6 U1.Y39 | length 3401.4
  L1_TOP w5: U1.Y39@4132.96,2478.78 v1(4152.65,2459.09)
  L14_S w3.8: P11.F6@3369.92,500 3333.86,536.06 3333.86,626.06 3392.99,685.19 3464.22,685.19 3766.99,987.96 3766.99,1213.96 3823.37,1270.34 ccw(c3814.75,1278.97) 3826.95,1278.97 ccw(c3814.75,1278.97) 3823.37,1287.6 3799.84,1311.13 cw(c3802.94,1314.25) 3799.83,1317.36 cw(c3802.94,1314.25) 3806.05,1317.36 3835.46,1287.96 ; 3835.47,1287.95 3861.87,1261.54 ccw(c3870.5,1270.17) 3879.13,1261.54 ccw(c3870.5,1270.17) 3882.7,1270.17 ccw(c3870.5,1270.17) 3879.13,1278.79 3823.31,1334.61 cw(c3826.42,1337.73) 3823.31,1340.84 cw(c3826.42,1337.73) 3829.53,1340.84 3858.94,1311.43 3885.35,1285.02 ; 3882.41,1334.91 3853,1364.31 ccw(c3849.89,1361.2) 3846.78,1364.31 ccw(c3849.89,1361.2) 3846.78,1358.09 3902.61,1302.27 cw(c3893.98,1293.64) 3906.18,1293.64 cw(c3893.98,1293.64) 3902.61,1285.01 cw(c3893.98,1293.64) 3885.35,1285.01 ; 3882.42,1334.9 3908.82,1308.49 ccw(c3917.45,1317.12) 3926.08,1308.49 ccw(c3917.45,1317.12) 3929.65,1317.12 ccw(c3917.45,1317.12) 3926.08,1325.74 3870.26,1381.56 cw(c3873.37,1384.68) 3870.26,1387.79 cw(c3873.37,1384.68) 3876.48,1387.79 3905.89,1358.38 3932.3,1331.97 ; 3929.36,1381.86 3899.96,1411.26 ccw(c3896.84,1408.15) 3893.73,1411.26 ccw(c3896.84,1408.15) 3893.73,1405.04 3949.56,1349.22 cw(c3940.93,1340.59) 3953.13,1340.59 cw(c3940.93,1340.59) 3949.56,1331.96 cw(c3940.93,1340.59) 3932.3,1331.96 ; 3929.37,1381.85 3955.77,1355.44 ccw(c3964.4,1364.07) 3973.03,1355.44 ccw(c3964.4,1364.07) 3976.6,1364.07 ccw(c3964.4,1364.07) 3973.03,1372.69 3917.21,1428.51 cw(c3920.32,1431.63) 3917.21,1434.74 cw(c3920.32,1431.63) 3923.43,1434.74 3946.97,1411.2 ccw(c3955.6,1419.82) 3964.23,1411.2 4048.51,1495.48 4094.99,1541.96 4094.99,1775.96 4109.99,1790.96 4109.99,1957.96 4191.22,2039.19 4191.22,2115.82 4176.42,2130.63 4176.42,2252.92 4195.73,2272.24 4195.73,2390.1 4169.14,2416.69 4169.14,2427.72 4153.54,2443.32 4153.54,2459.09 v1@4153.54,2460.63
ZDOK1.DP_N32: P11.F8 U1.W38 | length 3428.1
  L1_TOP w5: U1.W38@4172.33,2518.15 v1(4192.02,2498.46)
  L12_S w3.8: P11.F8@3569.92,500 3528.97,500 3492.16,463.19 3445.76,463.19 3417.19,491.76 3417.19,568.42 3493.76,644.99 3548.99,644.99 4152.71,1248.71 4152.71,1434.19 cw(c4164.91,1434.19) 4164.91,1446.39 4201.53,1446.39 ccw(c4201.53,1450.79) 4205.93,1450.79 ccw(c4201.53,1450.79) 4201.53,1455.19 4090.57,1455.19 cw(c4090.57,1467.39) 4090.57,1479.59 4201.53,1479.59 ccw(c4201.53,1483.99) 4205.93,1483.99 ccw(c4201.53,1483.99) 4201.53,1488.39 4090.57,1488.39 cw(c4090.57,1500.59) 4090.57,1512.79 4201.53,1512.79 ccw(c4201.53,1517.19) 4205.93,1517.19 ccw(c4201.53,1517.19) 4201.53,1521.59 4090.64,1521.59 cw(c4090.64,1533.79) 4090.64,1545.99 4201.53,1545.99 ccw(c4201.53,1550.39) 4205.93,1550.39 ccw(c4201.53,1550.39) 4201.53,1554.79 4164.91,1554.79 cw(c4164.91,1566.99) 4152.71,1566.99 4152.71,1815.71 4247.36,1910.36 4247.36,2252.55 4227.67,2272.24 4227.67,2390.35 4207.99,2410.03 4207.99,2482.49 v1(4192.02,2498.46)
ZDOK1.DP_N33: P11.F10 U1.U34 | length 3381.9
  L1_TOP w5: U1.U34@4251.07,2675.63 v1(4270.76,2655.94)
  L5_S w3.8: P11.F10@3769.92,500 3734.99,534.93 3734.99,714.19 cw(c3739.39,714.19) 3739.39,718.59 3794.47,718.59 ccw(c3794.47,730.79) 3806.67,730.79 ccw(c3794.47,730.79) 3794.47,742.99 3667.71,742.99 cw(c3667.71,747.39) 3667.71,751.79 3794.47,751.79 ccw(c3794.47,763.99) 3806.67,763.99 ccw(c3794.47,763.99) 3794.47,776.19 3667.71,776.19 cw(c3667.71,780.59) 3667.71,784.99 3794.47,784.99 ccw(c3794.47,797.19) 3806.67,797.19 ccw(c3794.47,797.19) 3794.47,809.39 3667.71,809.39 cw(c3667.71,813.79) 3667.71,818.19 3794.47,818.19 ccw(c3794.47,830.39) 3806.67,830.39 ccw(c3794.47,830.39) 3794.47,842.59 3739.39,842.59 cw(c3739.39,846.99) 3734.99,846.99 3734.99,953.96 4207.99,1426.96 4207.99,1839.99 ; 4207.99,1837.99 4207.99,1839.99 ; 4208.99,1840.99 4207.99,1839.99 ; v1(4270.76,2655.94) 4255.16,2640.34 4255.16,2413.26 4256.99,2411.42 4256.99,2389.99 4254.99,2387.99 4254.99,2300.07 4266.67,2288.39 4266.67,2275.47 4255.16,2263.95 4255.16,2216.41 4255.87,2215.7 4255.87,2016.84 4207.99,1968.96 4207.99,1839.99